# KiCad board rp2350-decoder.kicad_pcb (continued)
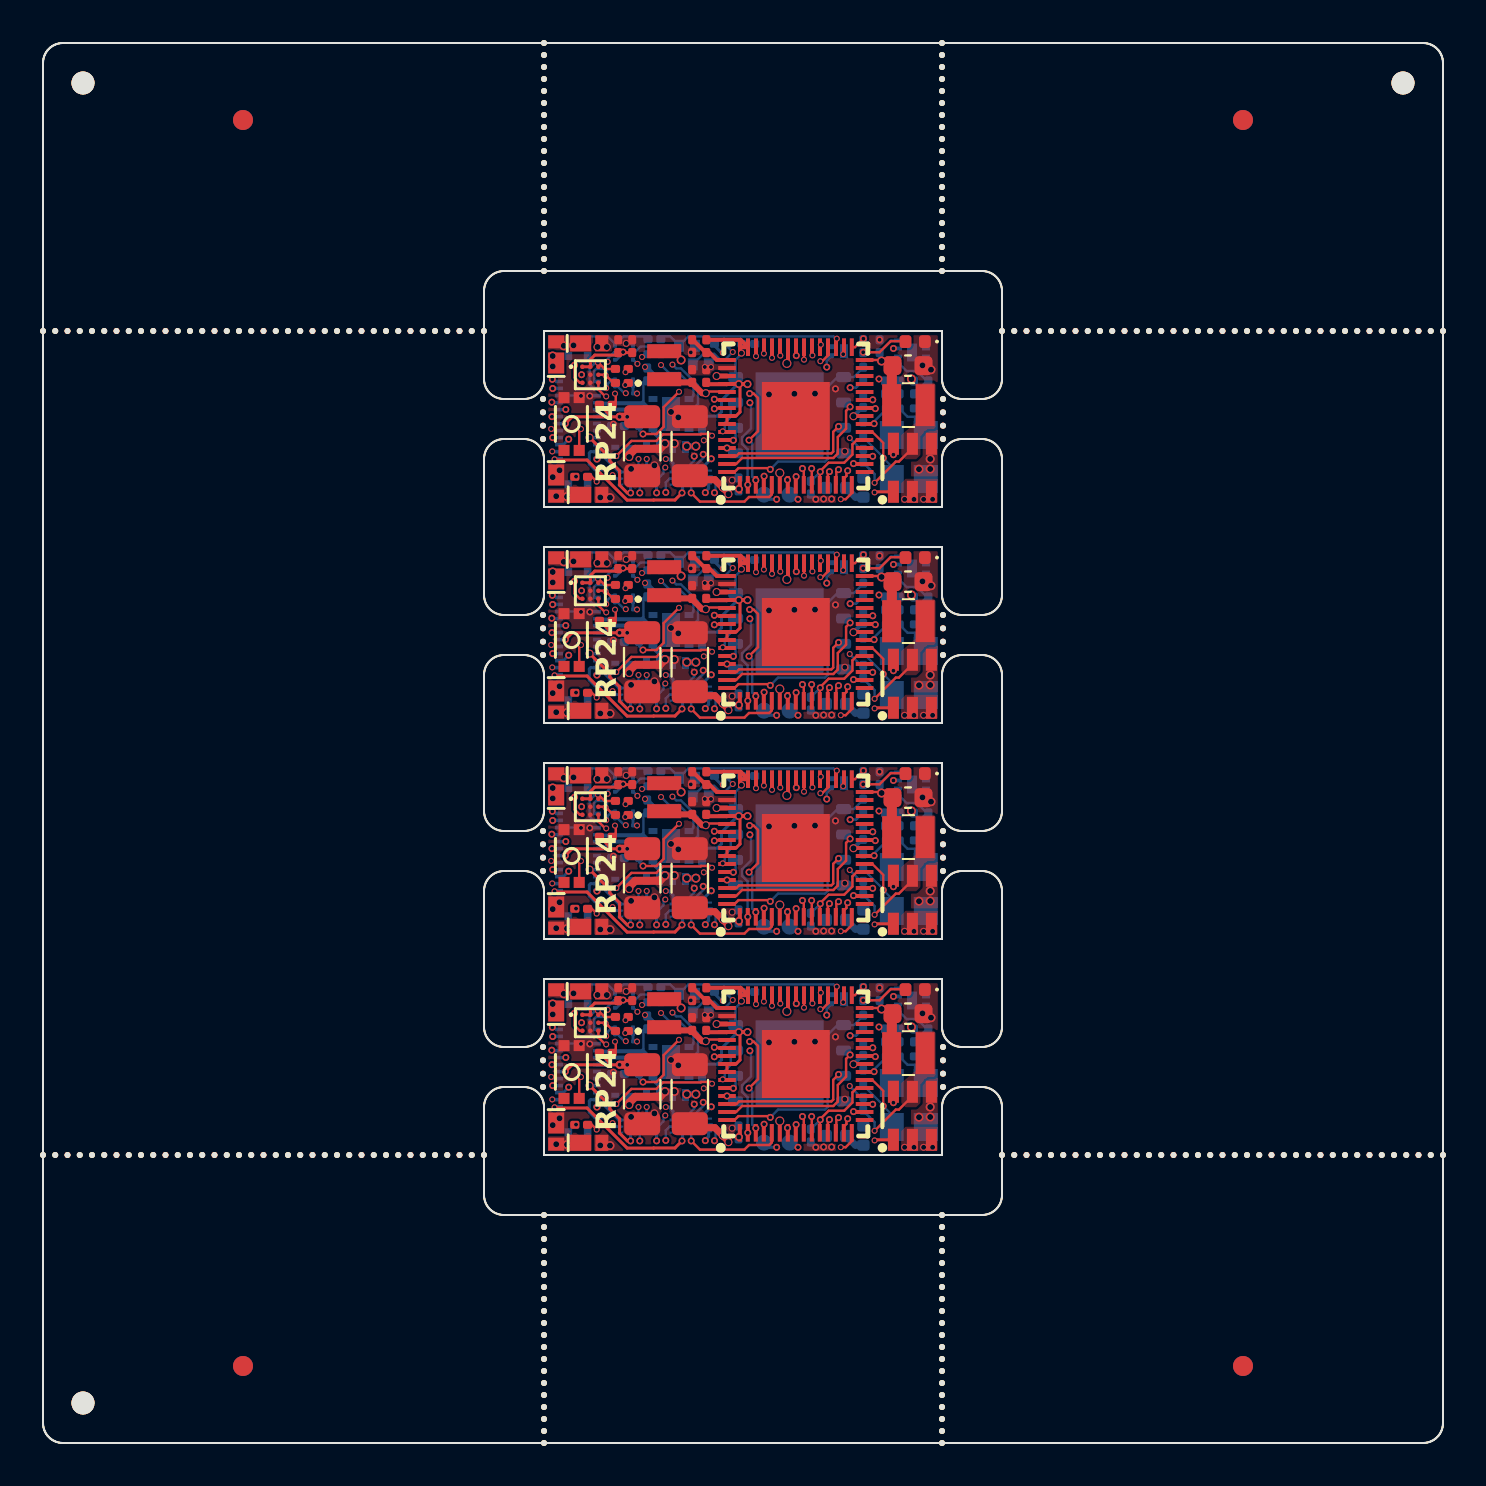
[diagram p0: board, top side]
## Nets (continued)
Board_3-/CAP_VDC: C2#2.1 C3.1 C16#2.1 D5#3.1 D6#2.1 Q1.3 U2#2.2 U2#2.3 U6#2.1
Board_3-/COMP_N: R1#4.2 R2#2.1 U1#4.6
Board_3-/COMP_P: R3#2.2 R4.1 U1#4.5
Board_3-/DCC_TTL_L: D7#3.1 R6#4.2 U4.33
Board_3-/DCC_TTL_R: D8#3.1 R7#4.1 U4.41
Board_3-/GPIO2: Q7#4.2 U4.4
Board_3-/GPIO3: Q7#4.5 U4.5
Board_3-/GPIO4: Q8#2.5 U4.7
Board_3-/GPIO5: Q6#2.5 U4.8
Board_3-/GPIO6: Q5.5 U4.9
Board_3-/GPIO7: Q5.2 U4.10
Board_3-/GPIO8: Q6#2.2 U4.12
Board_3-/GPIO9: Q8#2.2 U4.13
Board_3-/GPIO25: U4.37 U6#2.6
Board_3-/GPIO26: U4.40 U6#2.5
Board_3-/I2S_BCLK: U4.35 U5.C1
Board_3-/I2S_DIN: U4.34 U5.B1
Board_3-/I2S_LRCLK: U4.36 U5.C3
Board_3-/LAMP_FRONT: J3#2.9 Q5.3
Board_3-/LAMP_REAR: J3#2.10 Q5.6
Board_3-/MOTOR_A: J3#2.6 J3#2.7 R16.2 U6#2.2
Board_3-/MOTOR_B: J3#2.4 J3#2.5 R18#2.2 U6#2.3
Board_3-/QSPI_CS: R8#3.1 U3.1 U4.60
Board_3-/QSPI_SCLK: U3.6 U4.56
Board_3-/QSPI_SD0: U3.5 U4.57
Board_3-/QSPI_SD1: U3.2 U4.59
Board_3-/QSPI_SD2: U3.3 U4.58
Board_3-/QSPI_SD3: U3.7 U4.55
Board_3-/RC_TX: R13#3.2 U4.15
Board_3-/SPEAKER_N: J3#2.1 R9#3.1 U5.B3
Board_3-/SPEAKER_P: J3#2.2 R10.1 U5.A3
Board_3-/SWCLK: J2#3.1 U4.24
Board_3-/SWDIO: J1#2.1 U4.25
Board_3-/SWITCH: C4.2 L1#4.1 U2#2.5
Board_3-/TRACK_LEFT: D1#3.1 D3#4.2 J3#2.X1A J3#2.X1B Q4.6 R6#4.1
Board_3-/TRACK_RIGHT: D2#3.1 D4.2 J3#2.X2A J3#2.X2B Q3#4.6 R7#4.2
Board_3-/USB_N: R9#3.2 U4.51
Board_3-/USB_P: R10.2 U4.52
Board_3-/XIN: C11#4.1 U4.21 Y1#3.1
Board_3-/XOUT: R5#4.2 U4.22
Board_3-GND: C1#2.1 C2#2.2 C3.2 C5#3.2 C6#3.2 C7.2 C8#2.2 C9#3.2 C10.1 C11#4.2 C12.2 C13.2 C14#2.2 C15#2.2 C16#2.2 C17#2.2 C18.2 C19#4.2 D1#3.2 D2#3.2 D7#3.2 D8#3.2 D9#3.1 J3#2.3 J3#2.22 Q2#2.2 Q4.1 Q5.1 Q5.4 Q6#2.1 Q6#2.4 Q7#4.1 Q7#4.4 Q8#2.1 Q8#2.4 R2#2.2 R4.2 R17#4.1 R19.1 SW1#2.3 SW1#2.4 U1#4.4 U2#2.4 U3.4 U3.9 U4.47 U4.61 U5.B2 U5.C2 U6#2.4 U6#2.9 Y1#3.2 Y1#3.4
Board_3-Net-(C8-Pad1): C8#2.1 R5#4.1 Y1#3.3
Board_3-Net-(D9-A): D9#3.2 R15#3.1
Board_3-Net-(Q2-G): Q2#2.1 U1#4.7
Board_3-Net-(Q3A-B1): Q3#4.1 Q3#4.2 Q3#4.3 R12#4.1
Board_3-Net-(Q3B-B2): Q3#4.5 Q4.3 R13#3.1
Board_3-Net-(Q3B-E2): Q3#4.4 Q4.5 R11#4.2
Board_3-Net-(Q4A-B1): Q4.2 R12#4.2
Board_3-Net-(R8-Pad2): R8#3.2 SW1#2.2
Board_3-Net-(U2-BST): C4.1 U2#2.6
Board_3-Net-(U4-GPIO19): R15#3.2 U4.31
Board_3-Net-(U4-VREG_AVDD): C15#2.1 R14.1 U4.46
Board_3-Net-(U4-VREG_LX): L2#2.2 U4.48
Board_3-unconnected-(SW1-Pad1): SW1#2.1
Board_3-unconnected-(U1-EP-Pad9): U1#4.9
Board_3-unconnected-(U1-IN+1-Pad3): U1#4.3
Board_3-unconnected-(U1-IN−1-Pad2): U1#4.2
Board_3-unconnected-(U1-OUT1-Pad1): U1#4.1
Board_3-unconnected-(U4-GPIO12-Pad16): U4.16
Board_3-unconnected-(U4-GPIO15-Pad19): U4.19
Board_3-unconnected-(U4-GPIO16-Pad27): U4.27
Board_3-unconnected-(U4-GPIO17-Pad28): U4.28
Board_3-unconnected-(U4-GPIO18-Pad29): U4.29
Board_3-unconnected-(U4-RUN-Pad26): U4.26
Board_3-VDC: D3#4.1 D4.1 D5#3.2 J3#2.17 R1#4.1

## Via types
v1: diameter 0.4, hole 0.3, Top to Bottom, 52 vias
v2: diameter 0.45, hole 0.35, Top to Bottom, 8 vias
v3: diameter 0.35, hole 0.2, Top to Bottom, 276 vias
v4: diameter 0.4, hole 0.25, Top to Bottom, 12 vias
v5: diameter 0.3, hole 0.2, Top to Bottom, 212 vias
v6: diameter 0.35, hole 0.25, Top to Bottom, 32 vias
v7: diameter 0.45, hole 0.3, Top to Bottom, 100 vias

## Routing (per net, layer and track width the routed paths; a pad name or vN(x,y) marks a point on that pad's centre or on a via; arc(x,y) is an arc through that point)
Board_0-+1V1: length 20.5
  Top w0.12: v1(33.14,52.49) 33.22,52.57 34.18,52.57
  Top w0.2: v1(40.52,51.34) 40.57,51.34 40.58,51.35 U4#4.23 ; v2(37.19,53.98) 37.25,54.04 U4#4.39
  Top w0.3: v1(33.14,52.49) 32.96,52.49 32.46,52.99 ; 31.2,53.03 C9#2.1
  In1.Cu w0.3: 37.19,53.98 36.96,53.75 34.76,53.75 33.67,52.66 33.31,52.66 v1(33.14,52.49) ; v2(36.84,48.5) 36.84,48.56 39.62,51.34 v1(40.52,51.34)
  In2.Cu w0.3: v1(40.52,51.34) 40.8,51.61 40.8,52.95 40.48,53.27 37.97,53.27 37.25,53.98 v2(37.19,53.98)
  Bottom w0.2: v1(40.52,51.34) 40.91,51.72
Board_0-+3.3V: length 36.4
  Top w0.12: 41.93,54.1 41.88,54.15 U4#4.30 ; v6(34.92,54.49) 34.93,54.5 ; 29.88,51.24 29.81,51.31 ; v4(34.8,47.7) 34.8,47.87 ; 28.42,51.31 R11#2.1 ; U4#4.20 40.69,50.15 40.47,49.93 40.47,49.42 40.06,49.01 39.28,49.01 38.86,48.6 v3(38.86,48.56) 38.84,48.54 U4#4.11
  Top w0.15: v5(41.58,47.53) 41.61,47.56 U2.1 ; U5#3.A1 U5#3.A2 27.37,54.18 27.59,54.4 28.63,54.4 C17#4.1 C18#4.1 ; U4#4.54 U4#4.53 34.65,51.35 34.85,51.55 34.85,52.89 v4(34.79,52.95) ; v3(26.12,50.97) 26.46,51.31 v5(29.21,51.31) ; 34.92,54.52 v6(34.92,54.49) 34.92,54.53 34.85,54.6 34.93,54.52
  Top w0.2: v4(35.23,52.95) v4(34.79,52.95) 34.79,52.95 U4#4.49 34.19,52.94 33.25,52.94 ; 34.92,54.56 v6(34.92,54.49) ; R14#2.2 34.88,55.16 U4#4.44 U4#4.45
  Top w0.3: v7(41.93,54.1) 41.93,54.1
  Top w0.4: 28.83,51.31 28.83,51.31 C6.1
  Top w0.5: 42.44,51.89 42.44,53.59 42.47,53.63 C5#2.1
  In1.Cu w0.4: 28.83,51.31 28.84,51.31 v5(29.21,51.31) 30.89,51.31 31.15,51.05 31.18,51.05 31.19,51.04 31.28,51.04 31.55,50.77 31.98,50.77 32.13,50.92
  Bottom w0.12: U3#2.8 34.63,54.16 34.99,54.52 ; C1.2 41.83,54.2 v7(41.93,54.1) ; U1#3.8 42.41,55.12 41.83,54.54 ; Q4#4.4 28.68,54.16 28.89,54.37 28.89,54.43 v3(29,54.55) ; C14#4.1 38.86,48.56 v3(38.86,48.56) ; v6(34.92,54.49) 34.92,54.82 34.9,54.84 34.9,54.91 C7#3.1
  Bottom w0.15: C19.1 32.98,51.34 33.71,51.34 33.93,51.56 33.93,52.14 34.73,52.95 v4(34.79,52.95) ; v3(26.12,50.97) 26.12,50.97 26.11,50.97 J3#4.18
  Bottom w0.2: U6#4.8 U6#4.7 32.33,51.23 32.35,51.23 32.4,51.28 32.91,51.28 32.95,51.32 C19.1
  vias: v3(37.66,54.37) v5(28.83,51.31) v7(43.42,53.2)
Board_0-/ADC_EMF_A: length 9.7
  Top w0.12: v5(31.8,52.56) 31.03,51.79 31.03,50.81 30.67,50.45 v3(30,50.45)
  In3.Cu w0.12: v5(36.05,54.47) 36.05,54.28 35.31,53.55 34.4,53.55 33.83,52.98 32.23,52.98 31.81,52.56 v5(31.8,52.56)
  Bottom w0.12: v3(30,50.45) 29.81,50.64 29.81,50.87 R16#3.1 29.76,50.84 29.4,50.84 29.39,50.85 R17#3.2
Board_0-/ADC_EMF_B: length 8
  Top w0.12: v5(35.65,54.34) U4#4.43
  In3.Cu w0.12: v5(35.65,54.34) 35.46,54.15 32.6,54.15 31.55,53.1 30.5,53.1 30.07,53.53 30.07,53.77 v5(30.1,53.8)
  Bottom w0.12: R18#4.1 30.28,53.75 R19#2.2
Board_0-/AUX1 (VDC): length 5.4
  In1.Cu w0.15: v5(30.18,49.2) 30.17,49.19 30.17,48.78 29.71,48.32 29.1,48.32 28.66,48.76 28.27,48.76 v5(28.17,48.66)
  Bottom w0.15: v5(28.17,48.66) 27.6,48.66 27.31,48.94 27.31,49.5 27.39,49.57 J3#4.11 ; v5(30.18,49.2) 30.18,48.57 Q6#4.6
Board_0-/AUX2 (VDC): length 4.6
  In1.Cu w0.15: v3(27.7,49.19) 27.69,49.19 27.69,49.19 27.61,49.11 27.61,48.69 28.24,48.06 30.13,48.06 v3(30.68,47.51)
  Bottom w0.15: v3(30.68,47.51) 30.68,47.51 Q6#4.3 ; 27.7,49.23 27.7,49.2 v3(27.7,49.19)
Board_0-/AUX3: length 18.8
  Top w0.12: v3(41.48,49.33) 41.48,49.34 41.09,49.34
  In4.Cu w0.12: v3(41.48,49.33) 40.83,49.33 40.23,49.93 39.88,49.93 39.49,49.93 39.02,50.41 36.44,50.41 34.1,52.75 33.43,52.75 33.19,52.99 30.84,52.99 30,52.15 28.45,52.15 28.3,52 26.3,52 26.15,52.15 25.55,52.15 v3(25.44,52.04)
  Bottom w0.12: 25.8,52.02 25.48,52.02 25.47,52.04 v3(25.44,52.04)
Board_0-/AUX4: length 16.7
  Top w0.12: v3(40.53,48.97) 40.55,48.95 U4#4.17
  In4.Cu w0.12: v3(40.53,48.97) 40.25,49.24 40.02,49.24 39.85,49.24 39.39,49.7 38.92,50.18 36.35,50.18 36.07,50.45 36.07,50.45 35.74,50.78 34.63,50.78 34.05,51.37 33.42,51.37 32.78,52.01 30.18,52.01 30.1,51.92 28.56,51.92 28.39,51.75 26.21,51.75 v3(26.14,51.68)
  Bottom w0.12: 25.8,51.67 v3(26.14,51.68)
Board_0-/AUX5 (VDC): length 9.8
  In4.Cu w0.15: v3(25.48,50.27) 25.48,50.27 25.76,50.55 26.13,50.55 26.14,50.55 26.43,50.55 26.44,50.55 26.45,50.55 27.15,49.85 28.28,49.85 28.38,49.95 29.58,49.95 29.71,49.81 30.59,49.81 30.84,49.56 31.25,49.56 31.28,49.53 31.28,49.53 31.47,49.34 31.47,49.34 31.83,48.98 33.18,48.98 v3(33.41,49.21)
  Bottom w0.15: v3(33.41,49.21) 32.8,48.6 Q7#2.6
Board_0-/AUX6 (VDC): length 6.9
  In4.Cu w0.15: v3(26.29,50.19) 26.93,49.55 27.54,49.55 27.55,49.56 27.85,49.56 27.85,49.55 28.35,49.55 28.49,49.69 29.47,49.69 29.61,49.55 30.48,49.55 30.83,49.2 v5(31.14,49.2)
  Bottom w0.15: Q8#4.6 31.5,48.99 31.29,49.2 31.14,49.2 v5(31.14,49.2) ; 25.8,49.92 26.02,49.92 v3(26.29,50.19)
Board_0-/AUX7 (VDC): length 9.5
  In4.Cu w0.15: v5(25.46,49.58) 25.44,49.6 25.44,49.6 25.45,49.6 25.91,49.6 26.36,49.15 27.15,49.15 28.4,47.9 32.73,47.9 v3(33.12,47.52)
  Bottom w0.15: 25.8,49.58 25.46,49.58 v5(25.46,49.58) ; Q7#2.3 33.28,47.73 33.12,47.56 v3(33.12,47.52)
Board_0-/AUX8 (VDC): length 8.1
  Top w0.15: v5(25.58,49.19) 25.61,49.15 27.2,49.15 29.21,47.15 30.53,47.15 30.53,47.15 31.6,47.15 v3(31.95,47.5)
  Bottom w0.15: v3(31.95,47.5) 31.98,47.53 Q8#4.3 ; v5(25.58,49.19) 25.76,49.19 25.8,49.23
Board_0-/AUX10: length 17.3
  Top w0.12: v3(40.23,48.61) 40.17,48.55 40.17,48.35 40.04,48.22
  In4.Cu w0.12: v3(25.45,51.32) 25.45,51.33 25.45,51.33 28.3,51.33 28.62,51.65 29.4,51.65 30.02,51.03 31.12,51.03 31.45,50.7 32.48,50.7 32.75,50.97 34.12,50.97 34.53,50.55 35.65,50.55 36.25,49.95 38.82,49.95 39.76,49.01 39.92,49.01 40.23,48.7 v3(40.23,48.61)
  Bottom w0.12: 25.8,51.33 25.46,51.33 v3(25.45,51.32)
Board_0-/AUX11: length 17.3
  In4.Cu w0.12: v3(25.47,53.18) 25.58,53.07 27.36,53.07 28.01,53.72 28.84,53.72 28.98,53.86 29.36,53.86 29.77,53.45 32.22,53.45 32.93,54.16 33.49,54.16 33.53,54.12 33.53,54.12 33.72,53.93 33.72,53.93 33.84,53.81 35.09,53.81 35.68,53.22 35.68,52.29 35.4,52.01 v3(35.34,52.01)
  Bottom w0.12: v3(35.34,52.01) 35.4,51.96 35.4,50.73 34.95,50.28 34.95,49.95 34.96,49.95 35.23,49.68 35.23,47.92 v3(35.24,47.91)
Board_0-/AUX12: length 15.6
  Top w0.12: v3(35.3,50.14) 35.75,50.59 35.75,52.25 35.53,52.47 v3(35.33,52.47)
  In4.Cu w0.12: v3(25.48,52.72) 27.49,52.72 27.83,53.06 28.31,53.06 28.47,53.22 29.67,53.22 29.67,53.22 29.67,53.22 33.29,53.22 33.53,52.98 34.23,52.98 34.74,52.47 v3(35.33,52.47)
  Bottom w0.12: v3(35.3,50.14) 35.46,49.98 35.46,48.32 v3(35.64,48.14) ; v3(25.48,52.72) 25.8,52.72
Board_0-/CAP_ENABLE: length 14.7
  Top w0.12: v5(28.66,49.35) 29.42,50.1 30.67,50.1 30.99,50.43 32.88,50.43 32.91,50.45 33.36,50.45 v5(33.45,50.36)
  In3.Cu w0.12: v5(33.45,50.36) 33.45,50.53 33.89,50.97 38.38,50.97 39.55,52.14 39.55,52.14 40.01,52.6 v5(40.01,54.44)
Board_0-/CAP_VDC: length 6.3
  Top w0.35: 34.27,47.44 v1(34.27,47.44) 34.27,47.49 v1(33.99,47.76) ; v1(33.99,47.76) 33.59,48.16 32.55,48.16 ; v1(33.99,47.76) 33.99,47.8 ; 31.56,49.97 v7(31.56,49.98)
  Top w0.4: v7(31.1,49.97) 30.83,49.71 29.61,49.71 29.31,49.41 v1(29.31,49.3)
  In3.Cu w0.4: 31.56,49.98 v7(31.56,49.98)
  Bottom w0.2: U6#4.1 30.5,50.7 30.51,50.69 30.51,50.56 v7(31.1,49.97)
  Bottom w0.35: C3#2.1 40.16,47.75 40.62,47.29 C2#3.1
  vias: v6(43.08,47.19) v6(43.55,47.19) v6(44.03,47.19) v6(44.48,47.19)
Board_0-/COMP_N: length 2.7
  Bottom w0.12: U1#3.6 42.61,54.33 42.35,54.07 42.35,53.58 R2.1 42.78,53.1 42.14,52.46 R1.2
Board_0-/COMP_P: length 2.8
  Bottom w0.12: U1#3.5 42.85,53.92 43.18,53.6 43.7,53.6 44.19,53.1 R4#3.1 44.19,53.1 R3#4.2
Board_0-/DCC_TTL_L: length 9.2
  Bottom w0.12: v5(39.69,55.22) 39.67,55.24 39.61,55.24 39.52,55.33 32.27,55.33 31.87,54.93 31.76,54.93 31.36,55.33 31.03,55.33 R6.2
Board_0-/DCC_TTL_R: length 6.1
  Top w0.12: U4#4.41 v5(36.45,54.26)
  In2.Cu w0.12: v5(34.49,54.55) 34.49,54.55 34.81,54.87 36.1,54.87 36.45,54.52 v5(36.45,54.26)
  Bottom w0.12: D8#2.1 33.02,54.46 33.56,54.46 33.86,54.16 34.1,54.16 v5(34.49,54.55) 34.11,54.93
Board_0-/GPIO2: length 4.6
  Top w0.12: v3(36.05,48.34) 36.04,48.33 U4#4.4
  In4.Cu w0.12: v3(33.57,47.51) 33.57,47.9 34.16,48.48 35.91,48.48 v3(36.05,48.34)
  Bottom w0.12: v3(33.57,47.51) 33.62,47.56 33.62,48.15 33.45,48.32 Q7#2.2
Board_0-/GPIO3: length 5.8
  Top w0.12: U4#4.5 36.44,47.43 36.31,47.3 35.3,47.3 35.07,47.07 32.85,47.07 v3(32.41,47.51)
  Bottom w0.12: Q7#2.5 32.54,48.22 32.41,48.09 v3(32.41,47.51)
Board_0-/GPIO4: length 7.6
  In2.Cu w0.12: v3(37.23,48.16) 37.06,47.99 35.99,47.99 35.07,47.07 31.6,47.07 v3(31.14,47.53)
  Bottom w0.12: Q8#4.5 31.33,48.22 31.14,48.03 v3(31.14,47.53)
Board_0-/GPIO5: length 10.1
  Top w0.12: v3(37.65,48.32) 37.64,48.31 U4#4.8
  In4.Cu w0.12: v3(29.84,47.51) 30.27,47.07 36.08,47.07 36.82,47.81 37.42,47.81 37.6,47.99 37.6,48.27 v3(37.65,48.32)
  Bottom w0.12: Q6#4.5 29.94,48.22 29.84,48.12 v3(29.84,47.51)
Board_0-/GPIO6: length 11.4
  Top w0.12: U4#4.9 38.04,48.66 v3(37.97,48.73)
  In4.Cu w0.12: v5(28.48,48.39) 28.51,48.39 28.75,48.15 33.49,48.15 34.06,48.72 35.91,48.72 36.22,49.03 37.67,49.03 v3(37.97,48.73)
  Bottom w0.12: Q5#4.5 28.68,48.22 28.51,48.39 v5(28.48,48.39)
Board_0-/GPIO7: length 11.8
  Top w0.12: v3(38.43,48.73) 38.44,48.72 U4#4.10
  In4.Cu w0.12: 38.43,48.75 38.43,48.93 38.1,49.26 36.13,49.26 35.81,48.95 33.96,48.95 33.4,48.38 30.4,48.38 29.74,49.04 29.74,49.12 29.77,49.15 v5(29.77,49.2)
  Bottom w0.12: v5(29.77,49.2) 29.77,48.45 29.64,48.32 Q5#4.2
Board_0-/GPIO8: length 10.4
  Top w0.12: U4#4.12 39.24,48.49 v3(39.32,48.57)
  In4.Cu w0.12: v3(39.32,48.57) 39.32,48.59 38.42,49.49 36.03,49.49 35.72,49.17 33.87,49.17 33.34,48.65 31.33,48.65 31.2,48.78 v5(31.11,48.78)
  Bottom w0.12: Q6#4.2 30.85,48.32 31.03,48.49 31.03,48.73 31.07,48.78 v5(31.11,48.78)
Board_0-/GPIO9: length 9.8
  Top w0.12: 39.67,47.94 39.67,48.56 v3(39.78,48.67)
  In4.Cu w0.12: v3(33.01,49.43) 33.13,49.56 33.56,49.56 33.71,49.41 35.62,49.41 35.93,49.72 38.73,49.72 v3(39.78,48.67)
  Bottom w0.12: v3(33.01,49.43) 33.01,49.25 32.36,48.6 32.36,48.54 32.14,48.32 Q8#4.2
Board_0-/GPIO25: length 11.4
  Top w0.12: v5(38.05,54.17) U4#4.37
  In4.Cu w0.12: v5(31.47,53.92) 31.69,53.7 32.09,53.7 32.79,54.4 33.58,54.4 33.94,54.04 35.5,54.04 35.95,53.59 37.47,53.59 v5(38.05,54.17)
  Bottom w0.12: U6#4.6 32.35,51.7 32.35,51.7 32.5,51.7 32.68,51.88 32.7,51.88 32.7,51.9 32.75,51.95 32.75,52.88 31.9,53.73 31.66,53.73 v5(31.47,53.92)
Board_0-/GPIO26: length 10
  Top w0.12: v5(36.86,54.37) 36.85,54.38 U4#4.40
  In4.Cu w0.12: v5(36.86,54.37) 36.36,54.87 31.57,54.87 30.9,54.2 v5(30.9,53.9)
  Bottom w0.12: v5(30.9,53.9) 31.3,53.5 31.8,53.5 32.52,52.78 32.52,52.37 32.43,52.28 32.4,52.28 32.35,52.23 32.33,52.23 U6#4.5
Board_0-/I2S_BCLK: length 14.4
  Top w0.12: U5#3.C1 26.84,53.01 26.58,53.27 26.58,53.8 26.58,53.8 v3(26.58,53.89)
  In4.Cu w0.12: v5(38.89,54.91) 38.89,54.97 38.53,55.33 27.73,55.33 27.29,54.89 27.29,54.61 26.58,53.89 v3(26.58,53.89)
Board_0-/I2S_DIN: length 14.5
  Top w0.12: v5(38.87,54.09) 38.96,54.09 39.25,54.38 U4#4.34
  In4.Cu w0.12: v3(26.93,53.41) 26.93,53.71 27.59,54.38 28.39,54.38 28.57,54.2 29.29,54.2 30.19,55.1 38.25,55.1 38.87,54.48 v5(38.87,54.09)
Board_0-/I2S_LRCLK: length 15.9
  Top w0.12: U4#4.36 38.45,54.4 v5(38.47,54.38) ; U5#3.C3 27.77,52.68 28.12,52.33 v5(28.16,52.33)
  In3.Cu w0.12: v5(28.16,52.33) 28.12,52.33 28.03,52.42 28.03,52.42 27.84,52.61 27.84,52.61 27.35,53.1 27.35,54.95 27.73,55.33 37.52,55.33 v5(38.47,54.38)
Board_0-/LAMP_FRONT: length 4.6
  Top w0.15: v3(29.38,47.51) 29.22,47.51 28.83,47.89 28.83,48.61 28.34,49.1 28.34,49.27 27.34,50.27 v1(27.33,50.27)
  Bottom w0.15: v1(27.33,50.27) 27.33,50.27 27.7,50.27 ; v3(29.38,47.51) Q5#4.3
Board_0-/LAMP_REAR: length 2.1
  Bottom w0.15: 27.7,49.92 27.93,49.92 28.09,49.77 28.09,49.26 28.8,48.55 Q5#4.6
Board_0-/MOTOR_A: length 3.2
  Bottom w0.2: 30.52,51.2 30.5,51.2 U6#4.2 30.28,51.2 29.81,51.67 28.39,51.67 28.04,51.33 27.7,51.33
Board_0-/MOTOR_B: length 4.4
  Bottom w0.12: R18#4.2 30.08,53.11 30.02,53.05 30.02,52.11 29.95,52.04 29.95,51.99
  Bottom w0.2: U6#4.3 30.3,51.7 30.01,51.99 28.33,51.99 28.31,51.97 28.01,51.97 28,51.98 27.7,51.67
Board_0-/QSPI_CS: length 10.5
  Top w0.12: 34.58,48.55 34.77,48.74 36.3,48.74 v3(36.36,48.68)
  Bottom w0.12: 39.72,53.3 39.23,52.8 39.23,49.2 39.1,49.07 36.75,49.07 v3(36.36,48.68) ; R8#2.1 41.01,53.77 40.54,53.3 U3#2.1
Board_0-/QSPI_SCLK: length 0.7
  Bottom w0.12: v3(34.52,50.13) 34.63,50.25 U3#2.6
Board_0-/QSPI_SD0: length 0.4
  Bottom w0.12: 34.47,49.48 v3(34.2,49.75)
Board_0-/QSPI_SD1: length 8.7
  Top w0.12: v3(40.35,51.81) 40.15,51.61 40.15,50.71 39.74,50.3 39.74,49.47 39.52,49.25 34.95,49.25 34.65,48.95 U4#4.59
  Bottom w0.12: v3(40.35,51.81) 40.14,52.02
Board_0-/QSPI_SD2: length 6.8
  Top w0.12: v3(39.78,50.83) 39.51,50.56 39.51,49.57 39.42,49.48 34.8,49.48 34.67,49.35 U4#4.58
Board_0-/QSPI_SD3: length 1.7
  Bottom w0.12: v5(33.99,50.58) 33.99,50.58 34.09,50.68 34.09,51.01 34.39,51.31 34.39,51.78 U3#2.7
Board_0-/RC_TX: length 14.6
  Top w0.12: v5(27.68,48.07) 27.44,48.31 R13#2.2 ; U4#4.15 40.44,47.49 40.13,47.19 v5(39.89,47.19)
  In1.Cu w0.12: v5(39.89,47.19) 39.89,47.23 39.58,47.54 36.55,47.54 36.08,47.07 29.11,47.07 28.36,47.81 27.94,47.81 v5(27.68,48.07)
Board_0-/SPEAKER_N: length 2.5
  Top w0.12: 28.58,52.95 28.24,53.29 28.22,53.29 v5(28.13,53.38) 28.1,53.41 U5#3.B3
  Bottom w0.12: v5(28.13,53.38) 28.2,53.45 28.2,53.6 28.1,53.7 27.65,53.7 27.56,53.61 27.56,53.05
Board_0-/SPEAKER_P: length 3
  Top w0.12: U5#3.A3 27.77,53.99 v5(27.74,54.02) 27.77,54.02 28.09,53.7 28.57,53.7
  Bottom w0.12: J3#4.2 27.52,52.73 27.33,52.92 27.33,53.73 27.62,54.02 v5(27.74,54.02)
Board_0-/SWCLK: length 10.1
  Top w0.15: v3(41.62,51.72) 41.58,51.75 U4#4.24
  In4.Cu w0.15: v3(37.75,47.19) 37.75,47.43 38.22,47.9 40.66,47.9 41.29,48.53 42.51,48.53 43.14,49.16 43.14,50.3 41.72,51.72 v3(41.62,51.72)
Board_0-/SWDIO: length 12
  Top w0.15: v3(41.49,52.16) 41.48,52.15 U4#4.25
  In4.Cu w0.15: v3(41.49,52.16) 41.26,51.93 41.26,51.55 41.48,51.33 41.74,51.33 42.88,50.19 42.88,49.27 42.41,48.79 41.18,48.79 40.55,48.16 38.12,48.16 37.52,47.56 37.01,47.56 36.68,47.23 v3(36.68,47.18)
  Bottom w0.15: v3(36.68,47.18) 36.29,47.18 J1#4.1
Board_0-/SWITCH: length 4.1
  Top w0.12: v5(41.58,48.01) 42.64,49.07 42.79,49.07 43.47,49.74 U2.5
  Bottom w0.12: v5(41.58,48.01) 41.58,48.44 41.5,48.52 41.5,48.52 41.32,48.7 41.32,48.7 41.09,48.93 41.06,48.93 41.01,48.98 C4#3.2
Board_0-/TRACK_LEFT: length 3.5
  Bottom w0.12: R6.1 30.22,55.22 30.19,55.22 30.08,55.33 29.02,55.33 28.62,54.93 28.62,54.88 Q4#4.6 28.6,54.96 28.23,55.33 27.3,55.33
  vias: v7(26.04,54.86) v7(26.52,54.88)
Board_0-/TRACK_RIGHT: length 18.9
  In2.Cu w0.12: v7(25.66,47.34) 25.66,47.91 26.22,48.47 26.22,49.26 25.83,49.66 25.83,50.42 25.75,50.5 25.75,51.1 25.79,51.14 25.79,51.48 25.77,51.5 25.77,51.7 25.79,51.71 25.79,52.24 26.55,53 27,53 27.35,53.35 27.35,53.55 ; 27.35,53.55 27.35,54.96 27.73,55.33 33.22,55.33 34,54.55 34,54.53 33.99,54.52 v5(33.99,54.51) ; 27.35,53.55 27.35,53.4 28.01,52.74 v5(28.16,52.74)
  Bottom w0.12: v5(28.16,52.74) 28.2,52.7 28.22,52.7 28.24,52.72 28.24,52.96 28.46,53.18 Q3.6
  Bottom w0.15: v5(33.99,54.51) 33.99,54.52 33.96,54.55 33.89,54.55 33.5,54.94 33.5,54.96 33.51,54.96 R7#3.2
  vias: v7(26.2,47.32)
Board_0-/USB_N: length 7.2
  Top w0.12: v3(33.57,52.19) 33.6,52.15 U4#4.51
  In1.Cu w0.12: v5(29.11,52.9) 28.79,53.22 28.79,53.67 28.98,53.86 29.26,53.86 29.7,53.42 30.4,53.42 31.75,52.07 33.45,52.07 v3(33.57,52.19)
Board_0-/USB_P: length 7
  Top w0.12: U4#4.52 33.61,51.75 v3(33.57,51.71)
  In1.Cu w0.12: v3(33.57,51.71) 33.45,51.83 33.2,51.83 arc(33.13,51.8) 33.11,51.73 33.11,51.65 arc(33.08,51.58) 33.02,51.56 32.97,51.56 arc(32.9,51.58) 32.88,51.65 32.88,51.73 arc(32.85,51.8) 32.79,51.83 32.74,51.83 arc(32.67,51.8) 32.65,51.73 32.65,51.65 arc(32.62,51.58) 32.56,51.56 32.51,51.56 arc(32.44,51.58) 32.42,51.65 32.42,51.73 arc(32.39,51.8) 32.33,51.83 32.28,51.83 arc(32.21,51.8) 32.19,51.73 32.19,51.65 arc(32.16,51.58) 32.1,51.56 32.05,51.56 arc(31.98,51.58) 31.96,51.65 31.96,51.73 arc(31.93,51.8) 31.87,51.83 31.65,51.83 30.3,53.18 29.59,53.18 29.23,53.54 v5(29.13,53.54)
Board_0-/XIN: length 4.7
  Top w0.11: U4#4.21 41.47,50.55 42.01,50.01 v3(42.01,49.25)
  Bottom w0.11: C11#3.1 41.01,50.29 42.01,49.29 v3(42.01,49.25) 42.44,48.82 Y1.1
Board_0-/XOUT: length 1.5
  Top w0.12: v3(41.55,50.97) 41.54,50.95 U4#4.22
  Bottom w0.12: R5#3.2 42.17,51.69 41.55,51.07 v3(41.55,50.97)
Board_0-GND: length 3.8
  Bottom w0.12: v6(34.45,48.14) 34.45,48.14 34.45,48.17 34.53,48.25 C13#4.2 ; 25.8,52.38 26.88,52.38 v3(26.9,52.35) ; Q8#4.1 32.05,48.62 32.56,49.13 v3(32.56,49.34) ; Q4#4.1 29.5,54.88 29.4,54.98 v6(29.16,54.98)
  Bottom w0.15: v1(30.57,48.88) 30.57,48.76 Q6#4.1 ; v1(29.4,48.71) 29.4,48.63 Q5#4.1 ; v3(27.34,52.35) 27.36,52.38 27.7,52.38
  Bottom w0.2: 31.59,51.66 31.59,51.85
  vias: v1(27.72,54.8) v1(28.19,54.8) v1(31.4,51.55) v1(31.76,51.28) v3(28.52,50.94) v3(38.64,47.19) v3(39.03,47.2) v3(39.43,47.2) v3(39.62,52.71) v3(41.83,55.16) v5(32.39,54.53) v5(33.09,53.8) v5(33.4,53.8) v6(40.09,49.59) v7(27.87,47.28) v7(28.35,47.27) v7(36.3,52.43) v7(37.57,52.46) v7(38.6,52.47) v7(43.8,48.69) v7(43.97,53.88) v7(44.4,53.66) v7(44.36,49.2) v7(44.36,48.7)
Board_0-Net-(C8-Pad1): length 2.9
  Bottom w0.12: R5#3.1 43.23,51.31 43.79,51.31 C8.1 ; 43.6,51.31 43.6,50.94 Y1.3
Board_0-Net-(D9-A): length 2.3
  Top w0.12: v3(41.01,54.54) 41.83,54.54 42.38,55.09 43.1,55.09
Board_0-Net-(Q2-G): length 4.7
  In4.Cu w0.12: v3(39.19,53.79) 39.27,53.72 39.92,53.72 39.92,53.72 40.98,53.72 41.99,54.73 v3(42.52,54.73)
  Bottom w0.12: v3(39.19,53.79) 39.19,54.11 39.41,54.34 39.48,54.34 39.5,54.32 ; v3(42.52,54.73) 42.6,54.73 42.6,54.73 U1#3.7
Board_0-Net-(Q3A-B1): length 4
  In2.Cu w0.12: v5(29.7,52.48) 29.7,52.92 30.42,53.64 30.42,53.93 30.05,54.3 v5(29.95,54.3)
  Bottom w0.12: Q3.2 Q3.3 ; Q3.3 Q3.1 ; Q3.3 29.7,52.48 v5(29.7,52.48) ; R12.1 30.09,54.44 v5(29.95,54.3)
Board_0-Net-(Q3B-B2): length 10.3
  In2.Cu w0.12: v5(29.14,52.49) 28.65,52.01 28.03,52.01 27.69,52.35 27.69,52.51 27.5,52.7 26.76,52.7 26.49,52.43 26.49,50.48 26.65,50.31 v5(26.65,48.32)
  In3.Cu w0.12: v5(29.72,53.96) 29.72,52.95 29.26,52.49 v5(29.14,52.49)
  Bottom w0.12: Q3.5 28.73,52.83 29.07,52.49 v5(29.14,52.49) ; v5(29.72,53.96) 29.7,53.98 29.7,53.98 29.52,54.16 Q4#4.3
Board_0-Net-(Q3B-E2): length 3.1
  Top w0.12: R11#2.2 28.64,52.09 28.64,52.46 28.63,52.47 v5(28.6,52.47)
  In3.Cu w0.12: v5(28.24,54.06) 28.64,53.66 28.64,52.51 v5(28.6,52.47)
  Bottom w0.12: v5(28.24,54.06) 28.24,54.22 28.53,54.51 Q4#4.5
Board_0-Net-(Q4A-B1): length 1.7
  Bottom w0.12: R12.2 30.51,54.82 29.87,54.82 29.56,54.51 Q4#4.2
Board_0-Net-(R8-Pad2): length 17.1
  Top w0.12: v5(26.9,50.7) 26.81,50.61 SW1.2
  In3.Cu w0.12: v3(40.36,52.77) 40.36,52.76 40.36,52.63 39.78,52.05 39.78,52.04 38.47,50.74 34.63,50.74 33.94,50.04 33.09,50.04 33.04,50.1 v5(33.04,50.13)
  In4.Cu w0.12: v5(26.9,50.7) 27.6,50.7 27.71,50.59 29.37,50.59 29.57,50.8 30.85,50.8 31.28,50.37 32.8,50.37 v5(33.04,50.13)
  Bottom w0.12: R8#2.2 41.01,53.12 40.66,52.77 40.36,52.77 v3(40.36,52.77)
Board_0-Net-(U2-BST): length 3.5
  In1.Cu w0.12: v3(42.52,49.41) 41.69,50.25 v5(40.34,50.25)
  Bottom w0.12: C4#3.1 41.01,49.65 40.98,49.62 40.96,49.62 40.34,50.24 v5(40.34,50.25)
Board_0-Net-(U4-GPIO19): length 0.8
  Top w0.12: U4#4.31 40.59,54.79 v3(41.02,55.22)
Board_0-Net-(U4-VREG_AVDD): length 2.2
  Top w0.2: C15.1 32.49,55.16 33.13,54.52 R14#2.1 33.32,54.52 33.69,54.15 U4#4.46
Board_0-Net-(U4-VREG_LX): length 2.6
  Top w0.25: v1(33.68,53.35) U4#4.48
  In1.Cu w0.35: v1(33.68,53.35) 32.74,53.35 31.94,54.15 v7(31.9,54.15)
Board_0-VDC: length 12.2
  In3.Cu w0.12: v3(41.8,53.2) 41.32,53.2 40.54,52.42 40.48,52.42 40.01,51.95 40.01,51.95 38.57,50.51 35.18,50.51 34.95,50.28 34.95,49.9 34.4,49.35 33.85,49.35 33.39,49.81 32.67,49.81 v7(32.64,49.84)
  Bottom w0.12: 32.67,49.81 v7(32.64,49.84)
  Bottom w0.15: J3#4.17 25.64,50.62 25.63,50.63 25.48,50.63 v5(25.41,50.7)